# Altium PCB PCB_MOPA.PcbDoc (part 1 of 2) (continued)
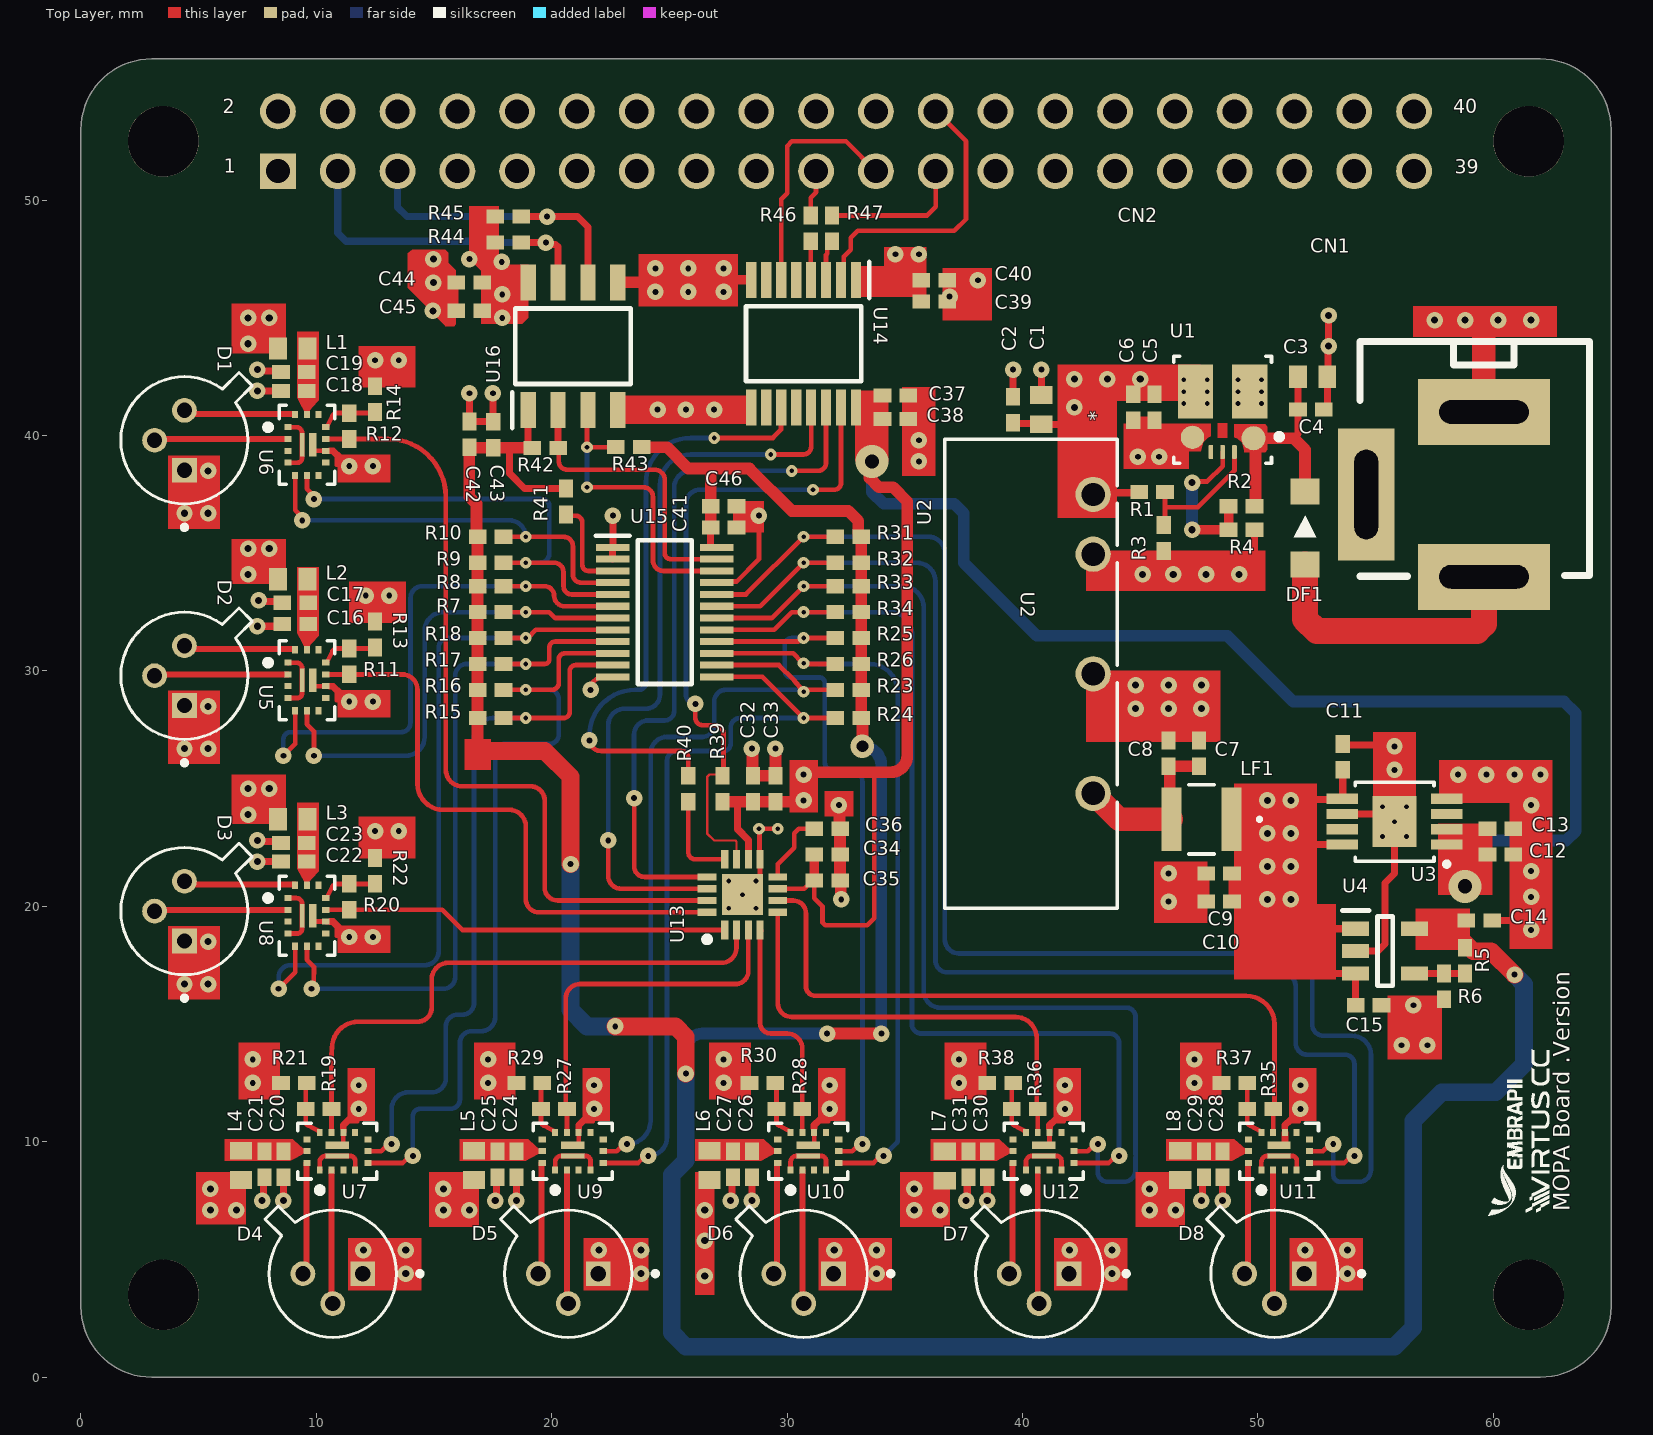
[diagram p0: Top Layer view]
## Components (designator, comment, footprint, x,y, rotation, side; value= is the part's Value field where it differs from the comment) (continued)
C46 "GRM155R61A102KA01D" CAPC1005X40N 27.3,37 r180 top value=10uF
CN1 "JDCN2.0" "JACK - P4" 59.6,37.5 r180 top
CN2 "SC0194(9)" RPI_SHIELD_CONNECTOR 32.5,52.5 r0 top
D1 "MTPD1346D-150" TO127P540X1680-3N 4.4,39.8 r270 top
D2 "MTPD1346D-150" TO127P540X1680-3N 4.4,29.8 r270 top
D3 "MTPD1346D-150" TO127P540X1680-3N 4.4,19.8 r270 top
D4 "MTPD1346D-150" TO127P540X1680-3N 10.7,4.4 r0 top
D5 "MTPD1346D-150" TO127P540X1680-3N 20.7,4.4 r0 top
D6 "MTPD1346D-150" TO127P540X1680-3N 30.7,4.4 r0 top
D7 "MTPD1346D-150" TO127P540X1680-3N 40.7,4.4 r0 top
D8 "MTPD1346D-150" TO127P540X1680-3N 50.7,4.4 r0 top
DF1 "SS34FA" SODFL3618X143N 51.996,36.075 r270 top
L1 "MPZ1608S601ATA00" INDC1608X06N 9,43.7 r0 top
L2 "MPZ1608S601ATA00" INDC1608X06N 9,33.9 r0 top
L3 "MPZ1608S601ATA00" INDC1608X06N 9,23.7 r0 top
L4 "MPZ1608S601ATA00" INDC1608X06N 6.8,9 r90 top
L5 "MPZ1608S601ATA00" INDC1608X06N 16.7,9 r90 top
L6 "MPZ1608S601ATA00" INDC1608X06N 26.7,9 r90 top
L7 "MPZ1608S601ATA00" INDC1608X06N 36.7,8.975 r90 top
L8 "MPZ1608S601ATA00" INDC1608X06N 46.7,9 r90 top
LF1 "BRL3225T470K" IND_TAIYO_BRL3225_TAY 47.6,23.7 r180 top value=47uF
R1 "RC0402FR-07220KL" RESC1005X40N 45.5,37.6 r0 top value=220k
R2 "RC0402FR-071ML" RESC1005X40N 49.3,37 r180 top value=1m
R3 "RC0402FR-0730KL" RESC1005X40N 46,35.65 r270 top value=30k
R4 "RC0402FR-07390KL" RESC1005X40N 49.3,36 r0 top value=390k
R5 "RC0402FR-0737K4L" RESC1005X40N 58.8,17.7 r270 top value=37.4k
R6 "RC0402FR-0712KL" RESC1005X40N 57.9,16.6 r270 top value=12k
R7 "RC0402FR-074K7L" RESC1005X40N 17.4,32.5 r0 top value=4.7k
R8 "RC0402FR-074K7L" RESC1005X40N 17.4,33.6 r0 top value=4.7k
R9 "RC0402FR-074K7L" RESC1005X40N 17.4,34.6 r0 top value=4.7k
R10 "RC0402FR-074K7L" RESC1005X40N 17.4,35.7 r0 top value=4.7k
R11 "RC0402FR-075K1L" RESC1005X40N 11.4,30.405 r90 top value=5.1k
R12 "RC0402FR-075K1L" RESC1005X40N 11.4,40.405 r90 top value=5.1k
R13 "RC0402FR-075K1L" RESC1005X40N 12.5,31.55 r90 top value=5.1k
R14 "RC0402FR-075K1L" RESC1005X40N 12.5,41.55 r90 top value=5.1k
R15 "RC0402FR-074K7L" RESC1005X40N 17.4,28 r0 top value=4.7k
R16 "RC0402FR-074K7L" RESC1005X40N 17.4,29.2 r0 top value=4.7k
R17 "RC0402FR-074K7L" RESC1005X40N 17.4,30.3 r0 top value=4.7k
R18 "RC0402FR-074K7L" RESC1005X40N 17.4,31.4 r0 top value=4.7k
R19 "RC0402FR-075K1L" RESC1005X40N 10.095,11.4 r180 top value=5.1k
R20 "RC0402FR-075K1L" RESC1005X40N 11.4,20.405 r90 top value=5.1k
R21 "RC0402FR-075K1L" RESC1005X40N 9.05,12.5 r180 top value=5.1k
R22 "RC0402FR-075K1L" RESC1005X40N 12.495,21.505 r90 top value=5.1k
R23 "RC0402FR-074K7L" RESC1005X40N 32.6,29.2 r180 top value=4.7k
R24 "RC0402FR-074K7L" RESC1005X40N 32.6,28 r180 top value=4.7k
R25 "RC0402FR-074K7L" RESC1005X40N 32.6,31.4 r180 top value=4.7k
R26 "RC0402FR-074K7L" RESC1005X40N 32.6,30.3 r180 top value=4.7k
R27 "RC0402FR-075K1L" RESC1005X40N 20.095,11.4 r180 top value=5.1k
R28 "RC0402FR-075K1L" RESC1005X40N 30.095,11.4 r180 top value=5.1k
R29 "RC0402FR-075K1L" RESC1005X40N 19.05,12.5 r180 top value=5.1k
R30 "RC0402FR-075K1L" RESC1005X40N 28.95,12.5 r180 top value=5.1k
R31 "RC0402FR-074K7L" RESC1005X40N 32.6,35.7 r180 top value=4.7k
R32 "RC0402FR-074K7L" RESC1005X40N 32.6,34.6 r180 top value=4.7k
R33 "RC0402FR-074K7L" RESC1005X40N 32.6,33.6 r180 top value=4.7k
R34 "RC0402FR-074K7L" RESC1005X40N 32.6,32.5 r180 top value=4.7k
R35 "RC0402FR-075K1L" RESC1005X40N 50.095,11.4 r180 top value=5.1k
R36 "RC0402FR-075K1L" RESC1005X40N 40.095,11.4 r180 top value=5.1k
R37 "RC0402FR-075K1L" RESC1005X40N 49,12.5 r180 top value=5.1k
R38 "RC0402FR-075K1L" RESC1005X40N 39.05,12.5 r180 top value=5.1k
R39 "RC0402FR-0710KL" RESC1005X40N 27.25,25 r90 top value=10k
R40 "RC0402FR-0733RL" RESC1005X40N 25.8,25 r270 top value=33
R41 "RC0402FR-075K1L" RESC1005X40N 20.6,37.2 r270 top value=5.1k
R42 "RC0402FR-074K7L" RESC1005X40N 19.725,39.475 r0 top value=4.7k
R43 "RC0402FR-074K7L" RESC1005X40N 23.267,39.513 r180 top value=4.7k
R44 "RC0402FR-073K3L" RESC1005X40N 18.15,48.2 r0 top value=3.3k
R45 "RC0402FR-073K3L" RESC1005X40N 18.15,49.3 r0 top value=3.3k
R46 "RC0402FR-0733RL" RESC1005X40N 31,48.8 r270 top value=33
R47 "RC0402FR-0733RL" RESC1005X40N 31.9,48.8 r270 top value=33
U1 "TPSM863252RDXR" "RDX0007A-MFG - 2" 48.5,41.2 r180 top
U2 "B0505S-2WR3" B_S-2WR2_MNS 43,37.5 r270 top
U3 "TLV76750DGNR" VSSOP_0DGNR_TEX 55.8,23.6 r180 top
U4 "LDCL015MR" SOT95P280X145-5N 55.4,18.1 r0 top
U5 "ADL5308ACCZ" CC-14-4_ADI 9.6,29.605 r0 top
U6 "ADL5308ACCZ" CC-14-4_ADI 9.6,39.605 r0 top
U7 "ADL5308ACCZ" CC-14-4_ADI 10.895,9.6 r90 top
U8 "ADL5308ACCZ" CC-14-4_ADI 9.6,19.605 r0 top
U9 "ADL5308ACCZ" CC-14-4_ADI 20.895,9.6 r90 top
U10 "ADL5308ACCZ" CC-14-4_ADI 30.895,9.6 r90 top
U11 "ADL5308ACCZ" CC-14-4_ADI 50.895,9.6 r90 top
U12 "ADL5308ACCZ" CC-14-4_ADI 40.895,9.6 r90 top
U13 "ADS7066IRTER" QFN50P300X300X80-17N-D 28.1,20.5 r90 top
U14 "ISO7762FDBQR" SOP64P600X175-16N 30.7,43.9 r270 top
U15 "TCA9548ADGSR" SOP50P490X110-24N 24.8,32.5 r0 top
U16 "ISO1640BDR" SOIC127P600X175-8N 20.905,43.795 r90 top

## Footprints (in the part's own frame and the unit in brackets; to place one, negate y for a bottom-side part, rotate by r counter-clockwise, add the part's x,y. Pads: shape width x height; smd on the part's side, far side on the other; paste and mask are expansions set on the pad)
B_S-2WR2_MNS [mil]
  round 59 hole 39 paste-99999 mask+0: 1(0,0) 2(100,0) 4(300,0) 6(500,0)
  silkscreen extent -92,-248 692,40, body extent -87,-233 687,45, height 400
CAPC1005X40N [mm] "Chip Capacitor, 2-Leads, Body 1,0x0,50mm (0402), IPC Medium Density"
  rect 0.75x0.6 smd: 1(-0.55,0) 2(0.55,0)
  body extent -0.5,-0.25 0.5,0.25, height 0.55
CAPC1608X06N [mm] "Chip Capacitor, 2-Leads, Body 1,6x0,8mm (0603), IPC Medium Density"
  rect 0.75x0.95 smd: 1(-0.625,0) 2(0.625,0)
  body extent -0.85,-0.45 0.85,0.45, height 0.9
CC-14-4_ADI [mil]
  rect 12x10 smd paste+0 mask+0: 1(-31.5,29.53) 2(-31.5,9.84) 3(-31.5,-9.84) 4(-31.5,-29.53) 8(31.5,-29.53) 9(31.5,-9.84) 10(31.5,9.84) 11(31.5,29.53)
  rect 10x12 smd paste+0 mask+0: 5(-19.69,-51) 6(0,-51) 7(19.69,-51) 12(19.69,51) 13(0,51) 14(-19.69,51)
  rect 8x39 smd paste+0 mask+0: 15(-7.87,0)
  rect 12x39 smd paste+0 mask+0: 16(9.84,0)
  silkscreen extent -70,-66 46,66, body extent -41,-61 41,61, height 29
IND_TAIYO_BRL3225_TAY [mil]
  rect 33.5x106 smd paste+0 mask+0: 1(-50.25,0) 2(50.25,0)
  silkscreen extent -100,-58 21,58, body extent -67,-53 67,53, height 68
INDC1608X06N [mm] "Chip Inductor, 2-Leads, Body 1,6x0,8mm (0603), IPC Medium Density"
  rect 0.75x0.95 smd: 1(-0.625,0) 2(0.625,0)
  body extent -0.87,-0.48 0.87,0.48, height 0.95
"JACK - P4" [mm]
  rect 5.6x2.8 hole 1 slot 3.8 at 0 deg: 1(0,3.5) 2(0,-3.5)
  rect 2.4x5.6 hole 1 slot 3.8 at 90 deg: 3(5,0)
  silkscreen extent -4.47,-6.5 5.28,3.47, body extent -4.5,-11.05 5.3,3.45, height 11
QFN50P300X300X80-17N-D [mm]
  rect 0.8x0.3 smd: 1(-1.5,0.75) 2(-1.5,0.25) 3(-1.5,-0.25) 4(-1.5,-0.75) 9(1.5,-0.75) 10(1.5,-0.25) 11(1.5,0.25) 12(1.5,0.75)
  rect 0.3x0.8 smd: 5(-0.75,-1.5) 6(-0.25,-1.5) 7(0.25,-1.5) 8(0.75,-1.5) 13(0.75,1.5) 14(0.25,1.5) 15(-0.25,1.5) 16(-0.75,1.5)
  round 0.5 hole 0.2 mask-0.26: 17(-0.58,-0.58) 17(-0.58,0.58) 17(0,0) 17(0.58,-0.58) 17(0.58,0.58)
  rect 1.75x1.75 smd: 17(0,0)
  silkscreen extent -2.02,1.37 -1.78,1.62, body extent -1.5,-1.5 1.5,1.5, height 0.8
"RDX0007A-MFG - 2" [mm]
  round 1.025 smd paste-0.5 mask-0.495: 1(-1.312,1.312)
  round 0.5 hole 0.2 paste-2539.97 mask-0.05: 2(-1.65,-1.165) 2(-1.65,-0.665) 2(-1.65,-0.165) 2(-0.65,-0.165) 2(-0.65,-0.665) 2(-0.65,-1.165) 3(0.65,-0.165) 3(0.65,-0.665) 3(0.65,-1.165) 3(1.65,-1.165) 3(1.65,-0.665) 3(1.65,-0.165)
  rect 1.5x2.3 smd paste-1.137 mask-1.143: 2(-1.15,-0.675) 3(1.15,-0.675)
  round 0.991 smd paste-0.483 mask-0.483: 4(1.281,1.276)
  rrect50% 0.2x0.6 smd paste+0 mask-0.292: 5(0.5,1.9) 6(0,1.9) 7(-0.5,1.9)
  Top Layer region: -0.2,1.295 -0.2,0.675 0.2,0.675 0.2,1.295
  Top Layer region: -1.9,0.825 -1.9,1.8 -1.8,1.9 -0.925,1.9 -0.925,1.85 -0.825,1.515 -0.637,1.327 -0.5,1.271 -0.5,0.725 -1.8,0.725
  Top Layer region: 1.9,0.788 1.9,1.763 1.8,1.863 0.925,1.863 0.825,1.478 0.637,1.29 0.5,1.234 0.5,0.688 1.8,0.688
  silkscreen extent -2.53,-2.17 2.07,2.37, body extent -1.65,-2 1.65,2, height 2.1
RESC1005X40N [mm] "Chip Resistor, 2-Leads, Body 1,0x0,50mm (0402), IPC Medium Density"
  rect 0.75x0.6 smd: 1(-0.55,0) 2(0.55,0)
  body extent -0.53,-0.28 0.53,0.28, height 0.4
RPI_SHIELD_CONNECTOR [mil]
  rect 60x60 / inner round 60 / far side rect 60x60 hole 40 mask+4.02: 1(-950,-50)
  round 60 hole 40 mask+4.02: 2(-950,50) 3(-850,-50) 4(-850,50) 5(-750,-50) 6(-750,50) 7(-650,-50) 8(-650,50) 9(-550,-50) 10(-550,50) 11(-450,-50) 12(-450,50) 13(-350,-50) 14(-350,50) 15(-250,-50) 16(-250,50) 17(-150,-50) 18(-150,50) 19(-50,-50) 20(-50,50) 21(50,-50) 22(50,50) 23(150,-50) 24(150,50) 25(250,-50) 26(250,50) 27(350,-50) 28(350,50) 29(450,-50) 30(450,50) 31(550,-50) 32(550,50) 33(650,-50) 34(650,50) 35(750,-50) 36(750,50) 37(850,-50) 38(850,50) 39(950,-50) 40(950,50)
  body extent -1005,-94 1005,103, height 335
SODFL3618X143N [mm]
  rect 1.12x1.22 smd: 1(-1.55,0) 2(1.55,0)
  silkscreen extent -0.53,-0.47 0.4,0.47, body extent -1.92,-0.85 1.92,0.85, height 1.36
SOIC127P600X175-8N [mm]
  rect 1.525x0.65 smd: 1(-2.712,1.905) 2(-2.712,0.635) 3(-2.712,-0.635) 4(-2.712,-1.905) 5(2.712,-1.905) 6(2.712,-0.635) 7(2.712,0.635) 8(2.712,1.905)
  silkscreen extent -3.47,-2.45 1.6,2.58, body extent -3,-2.45 3,2.45, height 1.75
SOP50P490X110-24N [mm]
  rect 1.425x0.3 smd: 1(-2.212,2.75) 2(-2.212,2.25) 3(-2.212,1.75) 4(-2.212,1.25) 5(-2.212,0.75) 6(-2.212,0.25) 7(-2.212,-0.25) 8(-2.212,-0.75) 9(-2.212,-1.25) 10(-2.212,-1.75) 11(-2.212,-2.25) 12(-2.212,-2.75) 13(2.212,-2.75) 14(2.212,-2.25) 15(2.212,-1.75) 16(2.212,-1.25) 17(2.212,-0.75) 18(2.212,-0.25) 19(2.212,0.25) 20(2.212,0.75) 21(2.212,1.25) 22(2.212,1.75) 23(2.212,2.25) 24(2.212,2.75)
  silkscreen extent -2.93,-3.05 1.15,3.25, body extent -2.45,-3.05 2.45,3.05, height 1.1
SOP64P600X175-16N [mm]
  rect 1.528x0.435 smd: 1(-2.711,2.222) 2(-2.711,1.588) 3(-2.711,0.952) 4(-2.711,0.318) 5(-2.711,-0.318) 6(-2.711,-0.952) 7(-2.711,-1.588) 8(-2.711,-2.222) 9(2.711,-2.222) 10(2.711,-1.588) 11(2.711,-0.952) 12(2.711,-0.318) 13(2.711,0.318) 14(2.711,0.952) 15(2.711,1.588) 16(2.711,2.222)
  silkscreen extent -3.47,-2.45 1.6,2.79, body extent -3.01,-2.45 3.01,2.45, height 1.62
SOT95P280X145-5N [mm]
  rect 1.15x0.6 smd: 1(-1.25,0.95) 2(-1.25,0) 3(-1.25,-0.95) 4(1.25,-0.95) 5(1.25,0.95)
  silkscreen extent -1.83,-1.48 0.33,1.73, body extent -1.4,-1.48 1.4,1.48, height 1.45
TO127P540X1680-3N [mm]
  rect 1.05x1.05 hole 0.65: 1(1.27,0)
  round 1.05 hole 0.65: 2(-1.27,0) 3(0,-1.27)
  silkscreen extent -2.88,-2.7 3.8,2.88, body extent -2.7,-2.7 2.7,2.7, height 3.2
VSSOP_0DGNR_TEX [mil]
  rect 52.5x17 smd paste+0 mask+0: 1(-87.25,38.38) 2(-87.25,12.8) 3(-87.25,-12.79) 4(-87.25,-38.39) 5(87.25,-38.38) 6(87.25,-12.79) 7(87.25,12.8) 8(87.25,38.39)
  round 19.68 hole 7.87 mask-7.87: 9(-20,25) 9(-20,-25) 9(0,0) 9(20,25) 9(20,-25)
  rect 73x85 smd paste+0 mask+0: 9(0,0)
  silkscreen extent -91,-66 66,75, body extent -99,-61 99,61, height 43

## Part data
C1: "22 µF ±20% 16V Ceramic Capacitor X5R 0603 (1608 Metric)", Manufacturer_Name=Samsung, Supplier Part Number 1=1276-7076-1-ND, Copyright="Copyright (C) 2026 Ultra Librarian. All rights reserved.", Datasheet Link=https://mm.digikey.com/Volume0/opasdata/d220001/medias/docus/2139/CL10A226MO7JZNC_Spec.pdf, Manufacturer_Part_Number=CL10A226MO7JZNC, Supplier 1=DigiKey
C2 C4 C6 C8 C10 C13 C16 C18 C20 C22 C24 C26 C28 C30 C32 C35 C38 C39 C41 C43 C44: "0.1 µF ±10% 50V Ceramic Capacitor X7R 0402 (1005 Metric)", Manufacturer_Name=Murata, Supplier Part Number 1=490-10672-1-ND, Copyright="Copyright (C) 2026 Ultra Librarian. All rights reserved.", Datasheet Link=https://search.murata.co.jp/Ceramy/image/img/A01X/G101/ENG/GCM155R71H104KE02-01.pdf, Manufacturer_Part_Number=GCM155R71H104KE02D, Supplier 1=DigiKey
C3: "10 µF ±20% 25V Ceramic Capacitor X5R 0603 (1608 Metric)", Manufacturer_Name=Samsung, Supplier Part Number 1=1276-1869-1-ND, Copyright="Copyright (C) 2025 Ultra Librarian. All rights reserved.", Datasheet Link=https://mm.digikey.com/Volume0/opasdata/d220001/medias/docus/658/CL10A106MA8NRNC_Spec.pdf, Manufacturer_Part_Number=CL10A106MA8NRNC, Supplier 1=DigiKey
C5 C7 C9 C17 C19 C21 C23 C25 C27 C29 C31 C33 C34 C37 C40: "10 µF ±20% 10V Ceramic Capacitor X5R 0402 (1005 Metric)", Manufacturer_Name=Murata, Supplier Part Number 1=490-GRT155R61A106ME13DCT-ND, Copyright="Copyright (C) 2026 Ultra Librarian. All rights reserved.", Datasheet Link=https://search.murata.co.jp/Ceramy/image/img/A01X/G101/ENG/GRT155R61A106ME13-01A.pdf, Manufacturer_Part_Number=GRT155R61A106ME13D, Supplier 1=DigiKey
C11 C14 C15 C36: "1 µF ±10% 10V Ceramic Capacitor X7R 0402 (1005 Metric)", Manufacturer_Name=Murata, Supplier Part Number 1=490-GRM155Z71A105KE01DCT-ND, Copyright="Copyright (C) 2025 Ultra Librarian. All rights reserved.", Manufacturer_Part_Number=GRM155Z71A105KE01D, Supplier 1=DigiKey
C12: "4.7 µF ±20% 10V Ceramic Capacitor X5R 0402 (1005 Metric)", Manufacturer_Name=Murata, Supplier Part Number 1=490-14306-1-ND, Copyright="Copyright (C) 2025 Ultra Librarian. All rights reserved.", Manufacturer_Part_Number=GRM155R61A475MEAAD, Supplier 1=DigiKey
C42 C45 C46: "1000 pF ±10% 10V Ceramic Capacitor X5R 0402 (1005 Metric)", Manufacturer_Name=Murata, Supplier Part Number 1=490-6295-1-ND, Copyright="Copyright (C) 2026 Ultra Librarian. All rights reserved.", Manufacturer_Part_Number=GRM155R61A102KA01D, Supplier 1=DigiKey
CN1: "Conector Fonte. JDCN2.0", Supplier 2=DigiKey, Supplier Part Number 2=CP-037A-ND
CN2: "The Raspberry Pi 4 Model B SC0194(9) single board computer features a Broadcom BCM2711 ARM Cortex-A72 quad-core processor operating at 1.5GHz, making it a powerful choice for embedded computing applications. Equipped with 4GB of RAM and a variety of conne", Package=None, Check_prices=https://www.snapeda.com/parts/SC0194(9)/Raspberry+Pi/view-part/?ref=eda, MF="Raspberry Pi", MP=SC0194(9), SnapEDA_Link=https://www.snapeda.com/parts/SC0194(9)/Raspberry+Pi/view-part/?ref=snap
D1 D2 D3 D4 D5 D6 D7 D8: "Photodiode 1300nm TO-46-3 Lens Top Metal Can", Manufacturer_Name="Marktech Optoelectronics", Package="TO-46-3 Marktech Optoelectronics", Supplier Part Number 1=1125-1327-ND, Datasheet Link=https://specs.marktechopto.com/pdf/products/datasheet/MTPD1346D-150.pdf, Manufacturer_Part_Number=MTPD1346D-150, SnapEDA_Link=https://www.snapeda.com/parts/MTPD1346D-150/Marktech%20Optoelectronics/view-part/2762424/?ref=snap, Supplier 1=Digikey
DF1: "UL Flammability 94V-0 Classification; MSL 1 per J-STD-020; Low Power Loss, High Efficiency; Guard Ring for Overvoltage Protection; RoHS Compliant / Green Molding Compound; High Surge Current Capability; NRVB Prefix for Automotive and Other Applications Requiring Unique Site and Control Change Requirements; AECQ101 Qualified and PPAP Capable", Manufacturer_Name=onsemi, Mouser Part Number=512-SS34FA, Arrow Part Number=SS34FA, Arrow Price/Stock=https://www.arrow.com/en/products/ss34fa/on-semiconductor?utm_currency=USD&region=nac, Datasheet Link=https://www.onsemi.com/pub/Collateral/SS36FA-D.PDF, Geometry.Height=1.43mm, Manufacturer_Part_Number=SS34FA, Mouser Price/Stock=https://www.mouser.co.uk/ProductDetail/onsemi-Fairchild/SS34FA?qs=R26iFe%2FkX%2FK1QUwZdCmBBw%3D%3D
L1 L2 L3 L4 L5 L6 L7 L8: "INDUCTOR; SMT (0603); FERRITE-BEAD; 600; TOL=+/-25%; 1A; -55 DEGC TO +125 DEGC", Manufacturer_Name=TDK, Supplier Part Number 1=445-MPZ1608S601ATA00CT-ND, Copyright="Copyright (C) 2026 Ultra Librarian. All rights reserved.", Datasheet Link=https://product.tdk.com/en/system/files/dam/doc/product/emc/emc/beads/catalog/beads_commercial_power_mpz1608_en.pdf, Manufacturer_Part_Number=MPZ1608S601ATA00, Supplier 1=DigiKey, Supplier 2=Mouser, Supplier Part Number 2=810-MPZ1608S601ATA00
LF1: "47 µH Semi-Shielded Drum Core, Wirewound Inductor 390 mA 1.2Ohm Max 1210 (3225 Metric)", Manufacturer_Name="TAIYO YUDEN", Supplier Part Number 1=587-2169-1-ND, Copyright="Copyright (C) 2025 Ultra Librarian. All rights reserved.", Datasheet Link=https://mm.digikey.com/Volume0/opasdata/d220001/medias/docus/610/BRL3225T470K_SS.pdf, Manufacturer_Part_Number=BRL3225T470K, Supplier 1=DigiKey
R1: "220 kOhms ±1% 0.063W, 1/16W Chip Resistor 0402 (1005 Metric) Moisture Resistant Thick Film", Manufacturer_Name=Yageo, Supplier Part Number 1=311-220KLRCT-ND, Copyright="Copyright (C) 2026 Ultra Librarian. All rights reserved.", Datasheet Link=https://yageogroup.com/content/datasheet/asset/file/PYU-RC_GROUP_51_ROHS_L, Manufacturer_Part_Number=RC0402FR-07220KL, Supplier 1=DigiKey
R2: "1 MOhms ±1% 0.063W, 1/16W Chip Resistor 0402 (1005 Metric) Moisture Resistant Thick Film", Manufacturer_Name=Yageo, Supplier Part Number 1=311-1.00MLRCT-ND, Copyright="Copyright (C) 2026 Ultra Librarian. All rights reserved.", Datasheet Link=https://yageogroup.com/content/datasheet/asset/file/PYU-RC_GROUP_51_ROHS_L, Manufacturer_Part_Number=RC0402FR-071ML, Supplier 1=DigiKey
R3: "30 kOhms ±1% 0.063W, 1/16W Chip Resistor 0402 (1005 Metric) Moisture Resistant Thick Film", Manufacturer_Name=Yageo, Supplier Part Number 1=311-30.0KLRCT-ND, Copyright="Copyright (C) 2026 Ultra Librarian. All rights reserved.", Datasheet Link=https://yageogroup.com/content/datasheet/asset/file/PYU-RC_GROUP_51_ROHS_L, Manufacturer_Part_Number=RC0402FR-0730KL, Supplier 1=DigiKey
R4: "390 kOhms ±1% 0.063W, 1/16W Chip Resistor 0402 (1005 Metric) Moisture Resistant Thick Film", Manufacturer_Name=Yageo, Supplier Part Number 1=YAG3143CT-ND, Copyright="Copyright (C) 2026 Ultra Librarian. All rights reserved.", Datasheet Link=https://yageogroup.com/content/datasheet/asset/file/PYU-RC_GROUP_51_ROHS_L, Manufacturer_Part_Number=RC0402FR-07390KL, Supplier 1=DigiKey
R5: "37.4 kOhms ±1% 0.063W, 1/16W Chip Resistor 0402 (1005 Metric) Moisture Resistant Thick Film", Manufacturer_Name=Yageo, Supplier Part Number 1=YAG3138CT-ND, Copyright="Copyright (C) 2026 Ultra Librarian. All rights reserved.", Datasheet Link=https://yageogroup.com/content/datasheet/asset/file/PYU-RC_GROUP_51_ROHS_L, Manufacturer_Part_Number=RC0402FR-0737K4L, Supplier 1=DigiKey
R6: "12 kOhms ±1% 0.063W, 1/16W Chip Resistor 0402 (1005 Metric) Moisture Resistant Thick Film", Manufacturer_Name=Yageo, Supplier Part Number 1=311-12.0KLRCT-ND, Copyright="Copyright (C) 2025 Ultra Librarian. All rights reserved.", Datasheet Link=https://yageogroup.com/content/datasheet/asset/file/PYU-RC_GROUP_51_ROHS_L, Manufacturer_Part_Number=RC0402FR-0712KL, Supplier=Digikey, Supplier 1=Digikey
R7 R8 R9 R10 R15 R16 R17 R18 R23 R24 R25 R26 R31 R32 R33 R34 R42 R43: "4.7 kOhms ±1% 0.063W, 1/16W Chip Resistor 0402 (1005 Metric) Moisture Resistant Thick Film", Manufacturer_Name=Yageo, Supplier Part Number 1=311-4.7KLRCT-ND, Copyright="Copyright (C) 2025 Ultra Librarian. All rights reserved.", Datasheet Link=https://yageogroup.com/content/datasheet/asset/file/PYU-RC_GROUP_51_ROHS_L, Manufacturer_Part_Number=RC0402FR-074K7L, Supplier=Digikey, Supplier 1=DigiKey
R11 R12 R13 R14 R19 R20 R21 R22 R27 R28 R29 R30 R35 R36 R37 R38 R41: "5.1 kOhms ±1% 0.063W, 1/16W Chip Resistor 0402 (1005 Metric) Moisture Resistant Thick Film", Manufacturer_Name=Yageo, Supplier Part Number 1=311-5.10KLRDKR-ND, Copyright="Copyright (C) 2025 Ultra Librarian. All rights reserved.", Datasheet Link=https://yageogroup.com/content/datasheet/asset/file/PYU-RC_GROUP_51_ROHS_L, Manufacturer_Part_Number=RC0402FR-075K1L, Supplier=Digikey, Supplier 1=DigiKey
R39: "10 kOhms ±1% 0.063W, 1/16W Chip Resistor 0402 (1005 Metric) Moisture Resistant Thick Film", Manufacturer_Name=Yageo, Supplier Part Number 1=311-10.0KLRCT-ND, Copyright="Copyright (C) 2025 Ultra Librarian. All rights reserved.", Datasheet Link=https://yageogroup.com/content/datasheet/asset/file/PYU-RC_GROUP_51_ROHS_L, Manufacturer_Part_Number=RC0402FR-0710KL, Supplier=Digikey, Supplier 1=DigiKey
R40 R46 R47: "33 Ohms ±1% 0.063W, 1/16W Chip Resistor 0402 (1005 Metric) Moisture Resistant Thick Film", Manufacturer_Name=Yageo, Supplier Part Number 1=311-33.0LRCT-ND, Copyright="Copyright (C) 2025 Ultra Librarian. All rights reserved.", Datasheet Link=https://yageogroup.com/content/datasheet/asset/file/PYU-RC_GROUP_51_ROHS_L, Manufacturer_Part_Number=RC0402FR-0733RL, Supplier 1=DigiKey
R44 R45: "3.3 kOhms ±1% 0.063W, 1/16W Chip Resistor 0402 (1005 Metric) Moisture Resistant Thick Film", Manufacturer_Name=Yageo, Supplier Part Number 1=311-3.30KLRCT-ND, Copyright="Copyright (C) 2025 Ultra Librarian. All rights reserved.", Datasheet Link=https://yageogroup.com/content/datasheet/asset/file/PYU-RC_GROUP_51_ROHS_L, Manufacturer_Part_Number=RC0402FR-073K3L, Supplier=Digikey, Supplier 1=DigiKey
U1: "3-V to 17-V input voltage, 3-A Eco-mode synchronous buck module 7-QFN-FCMOD -40 to 125", Manufacturer_Name="Texas Instruments", Supplier Part Number 1=296-TPSM863252RDXRCT-ND, Copyright="Copyright (C) 2025 Ultra Librarian. All rights reserved.", Manufacturer_Part_Number=TPSM863252RDXR, RefDes=RefDes, Supplier=Digikey, Supplier 1=DigiKey, Type=TYPE
U2: "Isolated Module DC DC Converter 1 Output 5V 400mA 4.5V - 5.5V Input", Manufacturer_Name=MORNSUN, Supplier Part Number 1=2725-B0505S-2WR3-ND, Copyright="Copyright (C) 2026 Ultra Librarian. All rights reserved.", Datasheet Link=https://www.mornsun-power.com/html/pdf/B0505S-2WR3.html, Manufacturer_Part_Number=B0505S-2WR3, RefDes=RefDes, Supplier 1=Digikey, Type="DC DC Converters"
U3: "LDO Voltage Regulators Adjustable- and fixed-output, 1-A, 16-V, positive-voltage low-dropout (LDO) linear regulator 8-HVSSOP -40 to 125", Manufacturer_Name="Texas Instruments", Mouser Part Number=595-TLV76750DGNR, Datasheet Link=https://www.ti.com/lit/gpn/tlv767, Geometry.Height=1.1mm, Manufacturer_Part_Number=TLV76750DGNR, Mouser Price/Stock=https://www.mouser.co.uk/ProductDetail/Texas-Instruments/TLV76750DGNR?qs=QNEnbhJQKvaJEVkWGWZhnw%3D%3D
U4: "Linear Voltage Regulator IC Positive Adjustable 1 Output 150mA SOT-23-5", Manufacturer_Name=STMicroelectronics, Mouser Part Number=511-LDCL015MR, Arrow Part Number=LDCL015MR, Arrow Price/Stock=https://www.arrow.com/en/products/ldcl015mr/stmicroelectronics?region=nac, Datasheet Link=https://www.st.com/resource/en/datasheet/ldcl015.pdf, Height=1.45mm, Manufacturer_Part_Number=LDCL015MR, Mouser Price/Stock=https://www.mouser.co.uk/ProductDetail/STMicroelectronics/LDCL015MR?qs=GkDVaEP5dcuyqQ8OoCXIYg%3D%3D, Parameter 1=497-12085-1-ND, Supplier 1=Digikey
U5 U6 U7 U8 U9 U10 U11 U12: "Logarithmic Converter, 105Deg C, Lga-Ep Rohs Compliant: Yes", Manufacturer_Name="Analog Devices", Supplier Part Number=505-ADL5308ACCZ-ND, Category="Integrated Circuits (ICs)", ComponentLink1Description=https://octopart.com:443/opatz8j6/c1?t=RA9GQZinOd29-lgehR1mMjPVps_pwNRaRgVV1YHzAIV5tl_XZCUSSAHitgBUBAYOkyHWZwhmuKnJMJd5RxR1VqE6m3xnviegrgL6shNBcrpF4LfPbYQ25RAGHFA1T9s0JOT-tl-QhPVPfLuNoqTz_6GGuiJfIxRC0S7r0DYLo04TjJESfYEQgeF8hwJXvZVADboypZr_g-Ea1XOnqBF-rgke93XuIMELyUETblR1X_UOadx82_PQ_RlLZBBqxzR00efRp-5niCJZslCBmJMmtGL_WYk9XjRWZNLGIjLbjTB1vQWuYu6Ttro&src-supplier=Analog+Devices, ComponentLink1URL=https://octopart.com:443/opatz8j6/c1?t=RA9GQZinOd29-lgehR1mMjPVps_pwNRaRgVV1YHzAIV5tl_XZCUSSAHitgBUBAYOkyHWZwhmuKnJMJd5RxR1VqE6m3xnviegrgL6shNBcrpF4LfPbYQ25RAGHFA1T9s0JOT-tl-QhPVPfLuNoqTz_6GGuiJfIxRC0S7r0DYLo04TjJESfYEQgeF8hwJXvZVADboypZr_g-Ea1XOnqBF-rgke93XuIMELyUETblR1X_UOadx82_PQ_RlLZBBqxzR00efRp-5niCJZslCBmJMmtGL_WYk9XjRWZNLGIjLbjTB1vQWuYu6Ttro&src-supplier=Analog+Devices, ComponentLink2Description=http://sigma.octopart.com:80/conflict_mineral_statement/Analog-Devices-company-33.pdf?src-supplier=Compliance+Statements, ComponentLink2URL=http://sigma.octopart.com:80/conflict_mineral_statement/Analog-Devices-company-33.pdf?src-supplier=Compliance+Statements, ComponentLink3Description=https://octopart.com:443/opatz8j6/c1?t=vRyEE9f1knuZsXfZ1EXV0igJkx_-mJPvDe2PRj94G0bMKfSINrZLJy9UxvHag1Ev7-JZTv2yES3irMYFchBWTpWzSwFH9zvLS0b9JOrPs9Pp2SMp_5VkKg4D-b9XM9N4Wk1jNVgkSgkhW8YH7ZyvkiIcKE_oeD_Hqil2BcqMABFddqLYAoPEQj49TJ_q7pMpzWSP-EVr2GWpI1kmAhJOGILngaZVyGxqQjwZ-ZoOI0z0mJCfXwlyMjB28ReNlNurs-8EToiXecBFaJGtKdUbF4KCBm4bpE5gucx16B8aD2Bl3eu5--byB1E&src-supplier=Compliance+Statements, ComponentLink3URL=https://octopart.com:443/opatz8j6/c1?t=vRyEE9f1knuZsXfZ1EXV0igJkx_-mJPvDe2PRj94G0bMKfSINrZLJy9UxvHag1Ev7-JZTv2yES3irMYFchBWTpWzSwFH9zvLS0b9JOrPs9Pp2SMp_5VkKg4D-b9XM9N4Wk1jNVgkSgkhW8YH7ZyvkiIcKE_oeD_Hqil2BcqMABFddqLYAoPEQj49TJ_q7pMpzWSP-EVr2GWpI1kmAhJOGILngaZVyGxqQjwZ-ZoOI0z0mJCfXwlyMjB28ReNlNurs-8EToiXecBFaJGtKdUbF4KCBm4bpE5gucx16B8aD2Bl3eu5--byB1E&src-supplier=Compliance+Statements, Datasheet Link=https://www.analog.com/media/en/technical-documentation/data-sheets/adl5308.pdf, Manufacturer_Part_Number=ADL5308ACCZ, Supplier=DigiKey, Supplier 1=DigiKey, Supplier Part Number 1=505-ADL5308ACCZ-ND
U13: "Analog to Digital Converters - ADC Eight-channel, 250-kSPS, 16-bit analog-to-digital converter with internal reference, GPIOs and SPI 16-WQFN -40 to 125", Manufacturer_Name="Texas Instruments", Mouser Part Number=595-ADS7066IRTER, Supplier Part Number 1=296-ADS7066IRTERCT-ND, Arrow Part Number=ADS7066IRTER, Arrow Price/Stock=https://www.arrow.com/en/products/ads7066irter/texas-instruments.html?utm_currency=USD&region=nac, Datasheet Link=https://www.ti.com/lit/ds/symlink/ads7066.pdf?ts=1708383444470&ref_url=https%253A%252F%252Fwww.ti.com%252Fproduct%252FADS7066%253Futm_source%253Dgoogle%2526utm_medium%253Dcpc%2526utm_campaign%253Dasc-null-null-GPN_EN-cpc-pf-google-wwe%2526utm_content%253D, Geometry.Height=0.8mm, Manufacturer_Part_Number=ADS7066IRTER, Mouser Price/Stock=https://www.mouser.co.uk/ProductDetail/Texas-Instruments/ADS7066IRTER?qs=ST9lo4GX8V1NXvZuWWBhPA%3D%3D, Supplier 1=Digikey
U14: "General Purpose Digital Isolator 3000Vrms 6 Channel 100Mbps 85kV/µs CMTI 16-SSOP (0.154\", 3.90mm Width)", Manufacturer_Name="Texas Instruments", Supplier Part Number 1=296-49452-1-ND, Copyright="Copyright (C) 2025 Ultra Librarian. All rights reserved.", Datasheet Link=https://www.ti.com/lit/ds/symlink/iso7760.pdf?ts=1712058534565&ref_url=https%253A%252F%252Fwww.ti.com%252Fsitesearch%252Fen-us%252Fdocs%252Funiversalsearch.tsp%253FlangPref%253Den-US%2526searchTerm%253DISO7760DBQR%2526nr%253D9, Manufacturer_Part_Number=ISO7762FDBQR, RefDes=RefDes, Supplier 1=DigiKey, Type=TYPE
U15: "IC BUS SWITCH 2 X 1:8 24-VSSOP", Manufacturer_Name="Texas Instruments", Mouser Part Number=595-TCA9548ADGSR, Supplier Part Number 1=296-TCA9548ADGSRCT-ND, Arrow Part Number=TCA9548ADGSR, Arrow Price/Stock=https://www.arrow.com/en/products/tca9548adgsr/texas-instruments.html?utm_currency=USD&region=nac, Datasheet Link=https://www.ti.com/lit/ds/symlink/tca9548a.pdf?ts=1738746169750&ref_url=https%253A%252F%252Fwww.mouser.de%252F, Height=1.1mm, Manufacturer_Part_Number=TCA9548ADGSR, Mouser Price/Stock=https://www.mouser.co.uk/ProductDetail/Texas-Instruments/TCA9548ADGSR?qs=olJun0bQHM%252B7USbLxm4jDw%3D%3D, Supplier 1=Digikey
U16: "Hot-swappable, robust-EMC bidirectional I2C isolator with bidirectional clock 8-SOIC -40 to 125", Manufacturer_Name="Texas Instruments", Supplier Part Number 1=296-ISO1640BDRCT-ND, Copyright="Copyright (C) 2026 Ultra Librarian. All rights reserved.", Datasheet Link=https://www.ti.com/lit/ds/symlink/iso1640.pdf, Manufacturer_Part_Number=ISO1640BDR, RefDes=RefDes, Supplier 1=DigiKey, Type=TYPE

## Free pads (board coordinates)
  round 3 hole 3 unplated paste-2539.97 mask+0: S1(3.5,52.5) S2(61.5,52.5) S3(61.5,3.5) S4(3.5,3.5)

## Via types
v1: diameter 0.7, hole 0.25, Top Layer to Bottom Layer, tented both sides, 109 vias
v2: diameter 0.7, hole 0.3, Top Layer to Bottom Layer, tented both sides, 97 vias
v3: diameter 0.5, hole 0.2, Top Layer to Bottom Layer, tented both sides, 24 vias
v4: diameter 1.4, hole 0.6, Top Layer to Bottom Layer, tented both sides, 2 vias
v5: diameter 1, hole 0.5, Top Layer to Bottom Layer, tented both sides, 1 vias

## Nets (pads, with @x,y where several pads share a name; then routed paths per layer and width w, separated by ;. In a path a pad name is that pad's centre, name@x,y a point inside that pad or via, vN(x,y) a via of type N, cw(c..) or ccw(c..) an arc to the next point about the centre after c; other vN are vias at no path point)
+3V3_ISO: C14.2 C41.2 C42.2 C43.2 C46.2 R5.1 R7.1 R8.1 R9.1 R10.1 R15.1 R16.1 R17.1 R18.1 R23.1 R24.1 R25.1 R26.1 R31.1 R32.1 R33.1 R34.1 R41.1 R42.1 R43.1 U4.5 U15.24 U16.1 | length 155.4
  Top Layer w0.3: C43.2@17.514,39.486 C43.2@17.516,39.484 ; 18.2,39.488 18.2,38.4 18.85,37.75 R41.1@20.6,37.75 R41.1@20.625,37.775 ; U16.1@18.995,41.088 U16.1@18.998,41.085 ; U16.1@19,41.083 19,39.625 R42.1@19.138,39.488 ; C41.2@26.75,36.1 26.75,35.25 U15.24@27.012,35.25 ; U4.5@56.65,19.05 58.2,19.05
  Top Layer w0.5: 16.9,26.6 16.85,26.65 R15.1@16.85,28 R16.1@16.85,29.2 R17.1@16.85,30.3 R18.1@16.85,31.4 R7.1@16.85,32.5 R8.1@16.85,33.6 R9.1@16.85,34.6 R10.1@16.85,35.7 16.8,35.75 16.8,37.1 16.5,37.4 C42.2@16.5,39.5 16.512,39.488 18.2,39.488 R42.1@19.138,39.488 ; R43.1@23.817,39.513 23.83,39.5 24.9,39.5 25.8,38.6 26.8,38.6 ; C41.2@26.75,36.1 C46.2@26.75,37 26.75,38.55 26.8,38.6 ; v1(31.7,14.6) v1(34,14.6) ; v5(33.2,26.8) 33.2,27.95 ccw(c33.15,27.95) R24.1@33.15,28 R23.1@33.15,29.2 R26.1@33.15,30.3 R25.1@33.15,31.4 R34.1@33.15,32.5 R33.1@33.15,33.6 R32.1@33.15,34.6 R31.1@33.15,35.7 33.075,35.7 33.025,35.75 33.025,36.375 32.6,36.8 30.2,36.8 28.4,38.6 26.8,38.6
  Top Layer w0.75: 16.9,26.6 19.7,26.6 20.8,25.5 v1(20.8,21.8) ; v1(22.7,14.9) 25.261,14.9 25.7,14.461 v1(25.7,12.9) ; 58.2,19.05 59.15,18.1 59.9,18.1 v1(60.9,17.1)
  Bottom Layer w0.5: v1(25.7,12.9) 25.7,13.9 cw(c26.4,13.9) 26.4,14.6 v1(31.7,14.6) ; v5(33.2,26.8) cw(c33.2,26) 34,26 v1(34,14.6)
  Bottom Layer w0.75: v1(20.8,21.8) 20.8,15.6 21.5,14.9 v1(22.7,14.9) ; v1(25.7,12.9) 25.7,9.2 25.1,8.6 25.1,1.9 25.7,1.3 55.8,1.3 56.6,2.1 56.6,10.9 57.8,12.1 60.1,12.1 61.3,13.3 61.3,16.7 v1(60.9,17.1)
+3V3RB: C39.2 C40.2 C44.2 C45.2 CN2.1 CN2.17 R44.1 R45.1 U14.1 U16.8 | length 5.5
  Top Layer w0.2: U14.1@32.922,46.611 32.933,46.6 C40.2@35.7,46.6 C39.2@35.7,45.7 ; v1(34.6,47.7) 34.6,47.2 34.717,47.083 34.983,47.083 v1(35.6,47.7)
  other v1: 17.9,45 17.9,46 17.875,47.375 16.5,47.5
+5V: C1.2 C2.2 C5.2 C6.2 R1.1 U1.3 U2.1 | length 12.2
  Top Layer w0.3: C2.2@39.6,40.55 39.638,40.512 40.762,40.512 C1.2@40.8,40.475 41.975,40.475 42.1,40.6 ; 43.75,41.75 43,41 43,37.64 43.1,37.54 43.13,37.57 44.845,37.57 44.875,37.6 R1.1@44.95,37.6 ; U1.3@46.681,41.75 46.796,41.865 U1.3@46.85,41.865
  Top Layer w0.55: 43.75,41.75 C6.2@44.7,41.75 C5.2@45.6,41.75 U1.3@46.681,41.75
  other v2: 42.2,41.2 42.2,42.4 43.6,42.4 45,42.4
+5V_ISO: C9.2 C10.2 C11.2 C15.2 L1.1 L2.1 L3.1 L4.1 L5.1 L6.1 L7.1 L8.1 LF1.1 U3.5 U3.8 U4.1 U4.3 | length 53.3
  Top Layer w0.2: v2(5.5,7.1) v2(5.5,8) 5.635,8 6.01,8.375 L4.1@6.8,8.375 6.8,7.435 6.6,7.235 v2(6.6,7.1) ; v2(7.1,23.9) 7.235,23.9 7.435,23.7 L3.1@8.375,23.7 8.375,24.49 8,24.865 v2(8,25) v2(7.1,25) ; v2(7.1,34.1) 7.235,34.1 7.435,33.9 L2.1@8.375,33.9 8.375,34.69 8,35.065 v2(8,35.2) v2(7.1,35.2) ; v2(7.1,43.9) 7.235,43.9 7.435,43.7 L1.1@8.375,43.7 8.375,44.49 8,44.865 v2(8,45) v2(7.1,45) ; v2(15.4,7.1) v2(15.4,8) 15.535,8 15.91,8.375 L5.1@16.7,8.375 16.7,7.435 16.5,7.235 v2(16.5,7.1) ; v2(26.5,4.3) v2@26.5,7 ; 26.7,7.435 26.5,7.235 v2(26.5,7.1) 26.5,7.187 26.7,7.387 L6.1@26.7,8.375 ; v2(35.4,7.1) v2(35.4,8) 35.535,8 35.91,8.375 36.7,8.375 36.7,7.435 36.5,7.235 v2(36.5,7.1) ; v2(45.4,7.1) v2(45.4,8) 45.535,8 45.91,8.375 L8.1@46.7,8.375 46.7,7.435 46.5,7.235 v2(46.5,7.1) ; v2(51.4,23.1) 51.875,22.625 ; v2(51.4,24.5) v2@51.437,24.537 ; U3.5@53.546,24.537 U3.5@53.584,24.575
  Top Layer w0.3: LF1.1@48.876,23.7 50.8,23.7 v2(51.4,23.1) ; v2(50.4,20.3) 50.35,20.25 48.95,20.25 C10.2@48.9,20.2 C9.2@48.9,21.4 49.992,21.4 50.292,21.7 v2(50.4,21.7) ; v2(51.4,20.3) 51.4,19.4 ; v2@51.437,24.537 U3.5@53.546,24.537 ; 51.875,22.625 U3.8@53.584,22.625 ; U3.5@53.584,24.575 53.6,24.591 C11.2@53.6,25.8 ; C15.2@54.15,15.8 U4.3@54.15,17.15 51.85,17.15 51.4,17.6 51.4,19.4 ; U4.1@54.15,19.05 51.75,19.05 51.4,19.4
  other v2: 26.5,5.8 51.4,21.7 50.4,23.1 50.4,24.5
+5V_ISO_AN1: C18.2 C19.2 L1.2 U6.13 | length 2.7
  Top Layer w0.2: U6.13@9.6,40.9 C18.2@9.6,41.8 ; C18.2@9.6,41.9 C19.2@9.6,42.7 L1.2@9.6,43.7
+5V_ISO_AN2: C16.2 C17.2 L2.2 U5.13 | length 2.7
  Top Layer w0.2: U5.13@9.6,30.9 C16.2@9.6,31.8 ; C16.2@9.6,31.9 9.6,32.7 L2.2@9.6,33.7
+5V_ISO_AN3: C22.2 C23.2 L3.2 U8.13 | length 2.7
  Top Layer w0.2: U8.13@9.6,20.9 C22.2@9.6,21.8 ; C22.2@9.6,21.9 C23.2@9.6,22.7 L3.2@9.6,23.7
+5V_ISO_AN4: C20.2 C21.2 L4.2 U7.13 | length 2.7
  Top Layer w0.2: L4.2@6.8,9.6 C21.2@7.8,9.6 C20.2@8.6,9.6 ; C20.2@8.7,9.6 U7.13@9.6,9.6
+5V_ISO_AN5: C24.2 C25.2 L5.2 U9.13 | length 2.7
  Top Layer w0.2: L5.2@16.7,9.6 C25.2@17.7,9.6 C24.2@18.5,9.6 ; C24.2@18.7,9.6 U9.13@19.6,9.6
+5V_ISO_AN6: C26.2 C27.2 L6.2 U10.13 | length 2.9
  Top Layer w0.2: L6.2@26.7,9.6 C27.2@27.7,9.6 U10.13@29.6,9.6
+5V_ISO_AN7: C30.2 C31.2 L7.2 U12.13 | length 2.7
  Top Layer w0.2: L7.2@36.7,9.6 C31.2@37.7,9.6 C30.2@38.5,9.6 ; C30.2@38.7,9.6 U12.13@39.6,9.6
+5V_ISO_AN8: C28.2 C29.2 L8.2 U11.13 | length 2.7
  Top Layer w0.2: L8.2@46.7,9.6 C29.2@47.7,9.6 C28.2@48.5,9.6 ; C28.2@48.7,9.6 U11.13@49.6,9.6
+5V_ISO_LDO: C12.2 C13.2 C32.2 C33.2 C34.2 C35.2 C37.2 C38.2 R39.1 U3.1 U3.2 U13.7 U13.10 U14.16 | length 90.9
  Top Layer w0.2: U13.7@29.6,20.75 30.725,20.75 31.075,21.1 C35.2@31.15,21.1 31.15,20.35 31.5,20 31.5,19.317 31.617,19.2 33.4,19.2 33.7,19.5 33.7,25.7
  Top Layer w0.3: 27.9,24.45 27.9,23.275 28.35,22.825 28.35,22.5 U13.10@28.35,22 ; C12.2@59.75,22.2 58.176,22.2 58.176,22.559 58.11,22.625 U3.1@58.016,22.625 U3.2@58.016,23.275 58.029,23.288 59.738,23.288 C13.2@59.75,23.3
  Top Layer w0.4: C35.2@31.15,21.1 C34.2@31.15,22.2
  Top Layer w0.5: R39.1@27.25,24.45 27.9,24.45 C32.2@28.55,24.45 C33.2@29.5,24.45 30.579,24.45 ccw(c30.579,24.621) v1(30.7,24.5) ; 31.125,25.7 33.7,25.7 34.4,25.7 ccw(c34.4,26.4) 35.1,26.4 35.1,37.2 34.5,37.8 33.9,37.8 33.5,38.2 33.5,40
  Bottom Layer w0.5: v4@33.772,38.728 v4(33.6,38.9) 33.6,37.6 34.1,37.1 37.1,37.1 37.5,36.7 37.5,34.6 40.6,31.5 48.7,31.5 51.5,28.7 63,28.7 63.5,28.2 63.5,23.2 63.1,22.8 59.493,22.8 58.972,22.279 58.972,21.026 v4(58.8,20.854)
  other v1: 30.7,25.6
ADC_CS: CN2.24 U14.2 | length 12.3
  Top Layer w0.2: U14.2@32.288,46.611 32.404,46.728 32.404,47.604 32.7,47.9 32.7,48.4 33,48.7 37.1,48.7 37.6,49.2 37.6,52.5 36.33,53.77 CN2.24@36.31,53.77
ADC_CS_ISO: R39.2 U13.11 U14.15 | length 28.3
  Top Layer w0.1: R39.2@27.2,25.6 26.7,25.6 26.6,25.5 26.6,23.1 26.9,22.8 27.8,22.8 27.85,22.75 U13.11@27.85,22
  Top Layer w0.2: v1@26.033,28.533 v1(26.1,28.6) 26.1,28 ccw(c26.4,28) 26.4,27.7 26.9,27.7 cw(c26.9,27.3) 27.3,27.3 27.3,25.7 cw(c27.2,25.7) R39.2@27.2,25.6 ; v3(31.1,37.7) 32,37.7 ccw(c32,37.988) 32.288,37.988 U14.15@32.288,41.189
  Bottom Layer w0.2: v1(26.1,28.6) cw(c26.1,29) 25.7,29 25.7,37.1 cw(c26.3,37.1) 26.3,37.7 v3(31.1,37.7)
ADC_SCLK: R47.2 U14.3 | length 1.8
  Top Layer w0.2: U14.3@31.7,46.659 U14.3@31.652,46.611 31.652,47.675 31.7,47.723 31.7,48.05 R47.2@31.9,48.25
ADC_SCLK_ISO: U13.13 U14.14 | length 30.1
  Top Layer w0.2: v1(23.496,24.6) 23.5,24.6 23.5,21.7 ccw(c23.95,21.7) 23.95,21.25 U13.13@26.6,21.25 ; v3(30.2,38.5) 31.3,38.5 ccw(c31.3,38.852) 31.652,38.852 U14.14@31.652,41.189
  Bottom Layer w0.2: v1(23.496,24.6) 23.496,24.696 23.496,27.296 cw(c24.1,27.296) 24.1,27.9 24.8,27.9 ccw(c24.8,28.3) 25.2,28.3 25.2,37.8 cw(c25.9,37.8) 25.9,38.5 v3(30.2,38.5)
ADC_SDI: R46.2 U14.4 | length 1.6
  Top Layer w0.1: U14.4@31,46.629 U14.4@31.018,46.611
  Top Layer w0.2: U14.4@31,46.629 R46.2@31,48.25
ADC_SDI_ISO: U13.14 U14.13 | length 31.8
  Top Layer w0.2: v1(22.4,22.8) 22.4,21.3 ccw(c22.95,21.3) 22.95,20.75 U13.14@26.6,20.75 ; v3(29.3,39.2) 30.7,39.2 ccw(c30.7,39.518) 31.018,39.518 U14.13@31.018,41.189
  Bottom Layer w0.2: v1(22.4,22.8) 22.4,27.7 cw(c23.1,27.7) 23.1,28.4 24,28.4 ccw(c24,29) 24.6,29 24.6,37.9 cw(c25.9,37.9) 25.9,39.2 v3(29.3,39.2)
ADC_SDO: CN2.21 U14.6 | length 10.2
  Top Layer w0.2: U14.6@29.748,46.611 29.748,50.048 30,50.3 30,52.3 30.2,52.5 32.5,52.5 CN2.21@33.77,51.23
ADC_SDO_ISO: R40.1 U14.11 | length 25.7
  Top Layer w0.2: v1@21.6,27.1 ccw(c22.1,27.1) 22.1,26.6 25.5,26.6 cw(c25.5,26.3) 25.8,26.3 R40.1@25.8,25.55 ; v3(26.9,39.9) 29.396,39.9 29.738,40.242 29.738,41.179 U14.11@29.748,41.189
  Bottom Layer w0.2: v1(21.6,27.052) 21.6,27.25 cw(c23.55,27.25) 23.55,29.2 23.7,29.2 ccw(c23.7,29.5) 24,29.5 24,38 cw(c25.9,38) 25.9,39.9 v3(26.9,39.9)
GND: C1.1 C2.1 C3.1 C4.1 C5.1 C6.1 CN1.2 R3.2 R4.2 U1.4 U2.2 | length 14.2
  Top Layer w0.3: C2.1@39.6,41.65 v1(39.6,42.8) ; C1.1@40.8,41.725 v1(40.8,42.8) ; C6.1@44.7,40.65 C5.1@45.6,40.65 45.6,39.408 45.8,39.208 v1(45.8,39.1) ; R4.2@49.85,36 49.85,34.65 49.9,34.6 ; C4.1@52.8,41.1 52.95,41.25 C3.1@52.95,42.5 52.975,42.525 52.975,43.775 v2(53,43.8) v2(53,45.1)
  Top Layer w1: CN1.2@59.6,41 59.6,44.9
  other v1: 44.9,39.1
  other v2: 45.1,34.1 46.4,34.1 47.8,34.1 49.2,34.1 57.5,44.9 58.8,44.9 60.2,44.9 61.6,44.9